# KiCad board pcb-rails.kicad_pcb (continued)
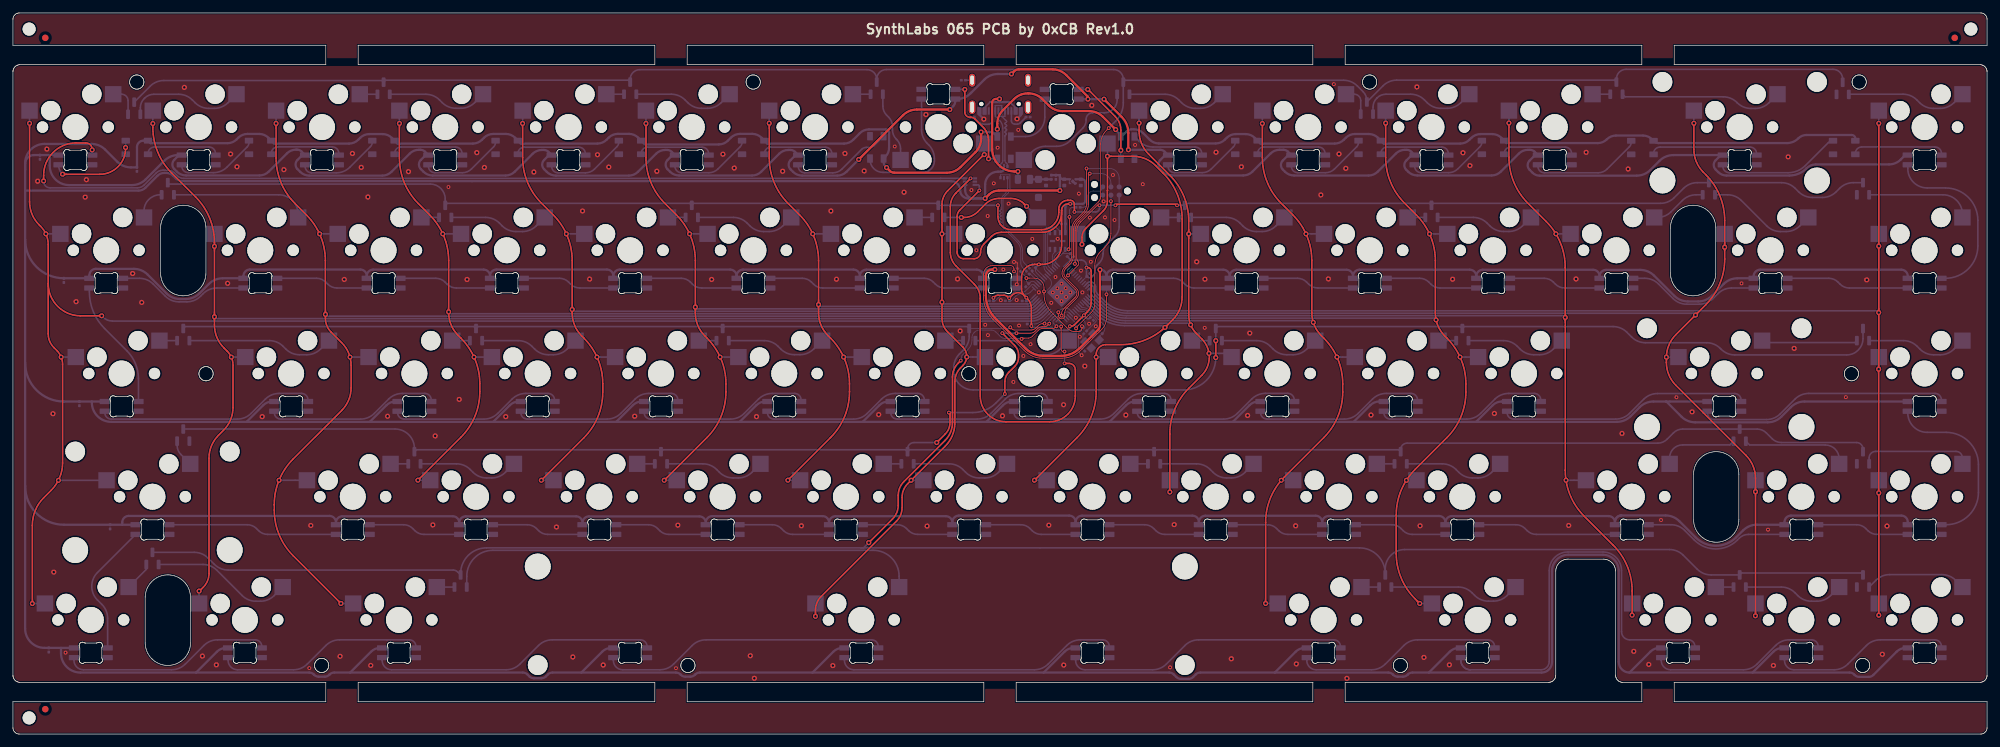
[diagram p0: board, top side]
## Copper pours and planes (outline as drawn; the poured copper is in the pictures) (continued)
(no net) on Top: 0.62,111.42 0.53,111.38 0.44,111.33 0.37,111.27 0.29,111.21 0.23,111.13 0.17,111.06 0.12,110.97 0.08,110.88 0.04,110.79 0.02,110.7 0,110.6 0,110.5 0,106.5 48.34,106.5 48.34,104.5 256.71,104.5 256.71,106.5 305.05,106.5 305.05,110.5 305.04,110.6 305.03,110.7 305.01,110.79 304.97,110.88 304.93,110.97 304.88,111.06 304.82,111.13 304.76,111.21 304.68,111.27 304.6,111.33 304.52,111.38 304.43,111.42 304.34,111.46 304.24,111.48 304.15,111.5 304.05,111.5 1,111.5 0.9,111.5 0.8,111.48 0.71,111.46
(no net) on Bottom: 48.34,5 0,5 0,1 0,0.9 0.02,0.8 0.04,0.71 0.08,0.62 0.12,0.53 0.17,0.44 0.23,0.37 0.29,0.29 0.37,0.23 0.44,0.17 0.53,0.12 0.62,0.08 0.71,0.04 0.8,0.02 0.9,0 1,0 304.05,0 304.15,0 304.24,0.02 304.34,0.04 304.43,0.08 304.52,0.12 304.6,0.17 304.68,0.23 304.76,0.29 304.82,0.37 304.88,0.44 304.93,0.53 304.97,0.62 305.01,0.71 305.03,0.8 305.04,0.9 305.05,1 305.05,5 256.71,5 256.71,7 248.75,7 246.65,9.1 246.65,25.14 246.65,25.2 246.65,25.24 246.64,25.29 246.63,25.33 246.62,25.38 246.61,25.42 246.59,25.46 246.58,25.5 246.56,25.55 246.54,25.59 246.51,25.63 246.49,25.66 246.46,25.7 246.43,25.74 246.4,25.77 246.37,25.8 246.34,25.83 246.3,25.86 246.26,25.89 246.23,25.91 246.19,25.94 246.15,25.96 246.1,25.98 246.06,25.99 246.02,26.01 245.98,26.02 245.93,26.03 245.89,26.04 245.84,26.05 245.8,26.05 245.74,26.05 240.31,26.05 240.25,26.05 240.21,26.05 240.16,26.04 240.12,26.03 240.07,26.02 240.03,26.01 239.98,25.99 239.94,25.98 239.9,25.96 239.86,25.94 239.82,25.91 239.78,25.89 239.75,25.86 239.71,25.83 239.68,25.8 239.64,25.77 239.61,25.74 239.59,25.7 239.56,25.66 239.53,25.63 239.51,25.59 239.49,25.55 239.47,25.5 239.45,25.46 239.44,25.42 239.43,25.38 239.42,25.33 239.41,25.29 239.4,25.24 239.4,25.2 239.4,25.14 239.4,9.1 237.3,7 48.34,7
(no net) on Bottom: 0.62,111.42 0.53,111.38 0.44,111.33 0.37,111.27 0.29,111.21 0.23,111.13 0.17,111.06 0.12,110.97 0.08,110.88 0.04,110.79 0.02,110.7 0,110.6 0,110.5 0,106.5 48.34,106.5 48.34,104.5 256.71,104.5 256.71,106.5 305.05,106.5 305.05,110.5 305.04,110.6 305.03,110.7 305.01,110.79 304.97,110.88 304.93,110.97 304.88,111.06 304.82,111.13 304.76,111.21 304.68,111.27 304.6,111.33 304.52,111.38 304.43,111.42 304.34,111.46 304.24,111.48 304.15,111.5 304.05,111.5 1,111.5 0.9,111.5 0.8,111.48 0.71,111.46
Board_0-GND on Top, Bottom: 322.68,-7.76 -22.32,-7.76 -22.32,122.24 322.68,122.24
Board_0-GND on Bottom: 165.33,84.28 165.33,85.49 162.23,85.49 162.22,84.34

Small or netless copper shapes (teardrops, artwork), in the pictures only: 142 on Top, 618 on Bottom

## Text on the board
User.Comments: V-CUT
F.Silkscreen: SynthLabs 065 PCB by 0xCB Rev1.0
